# Altium PCB Copy of FPGA_Module.PcbDoc (part 3 of 3) (continued)
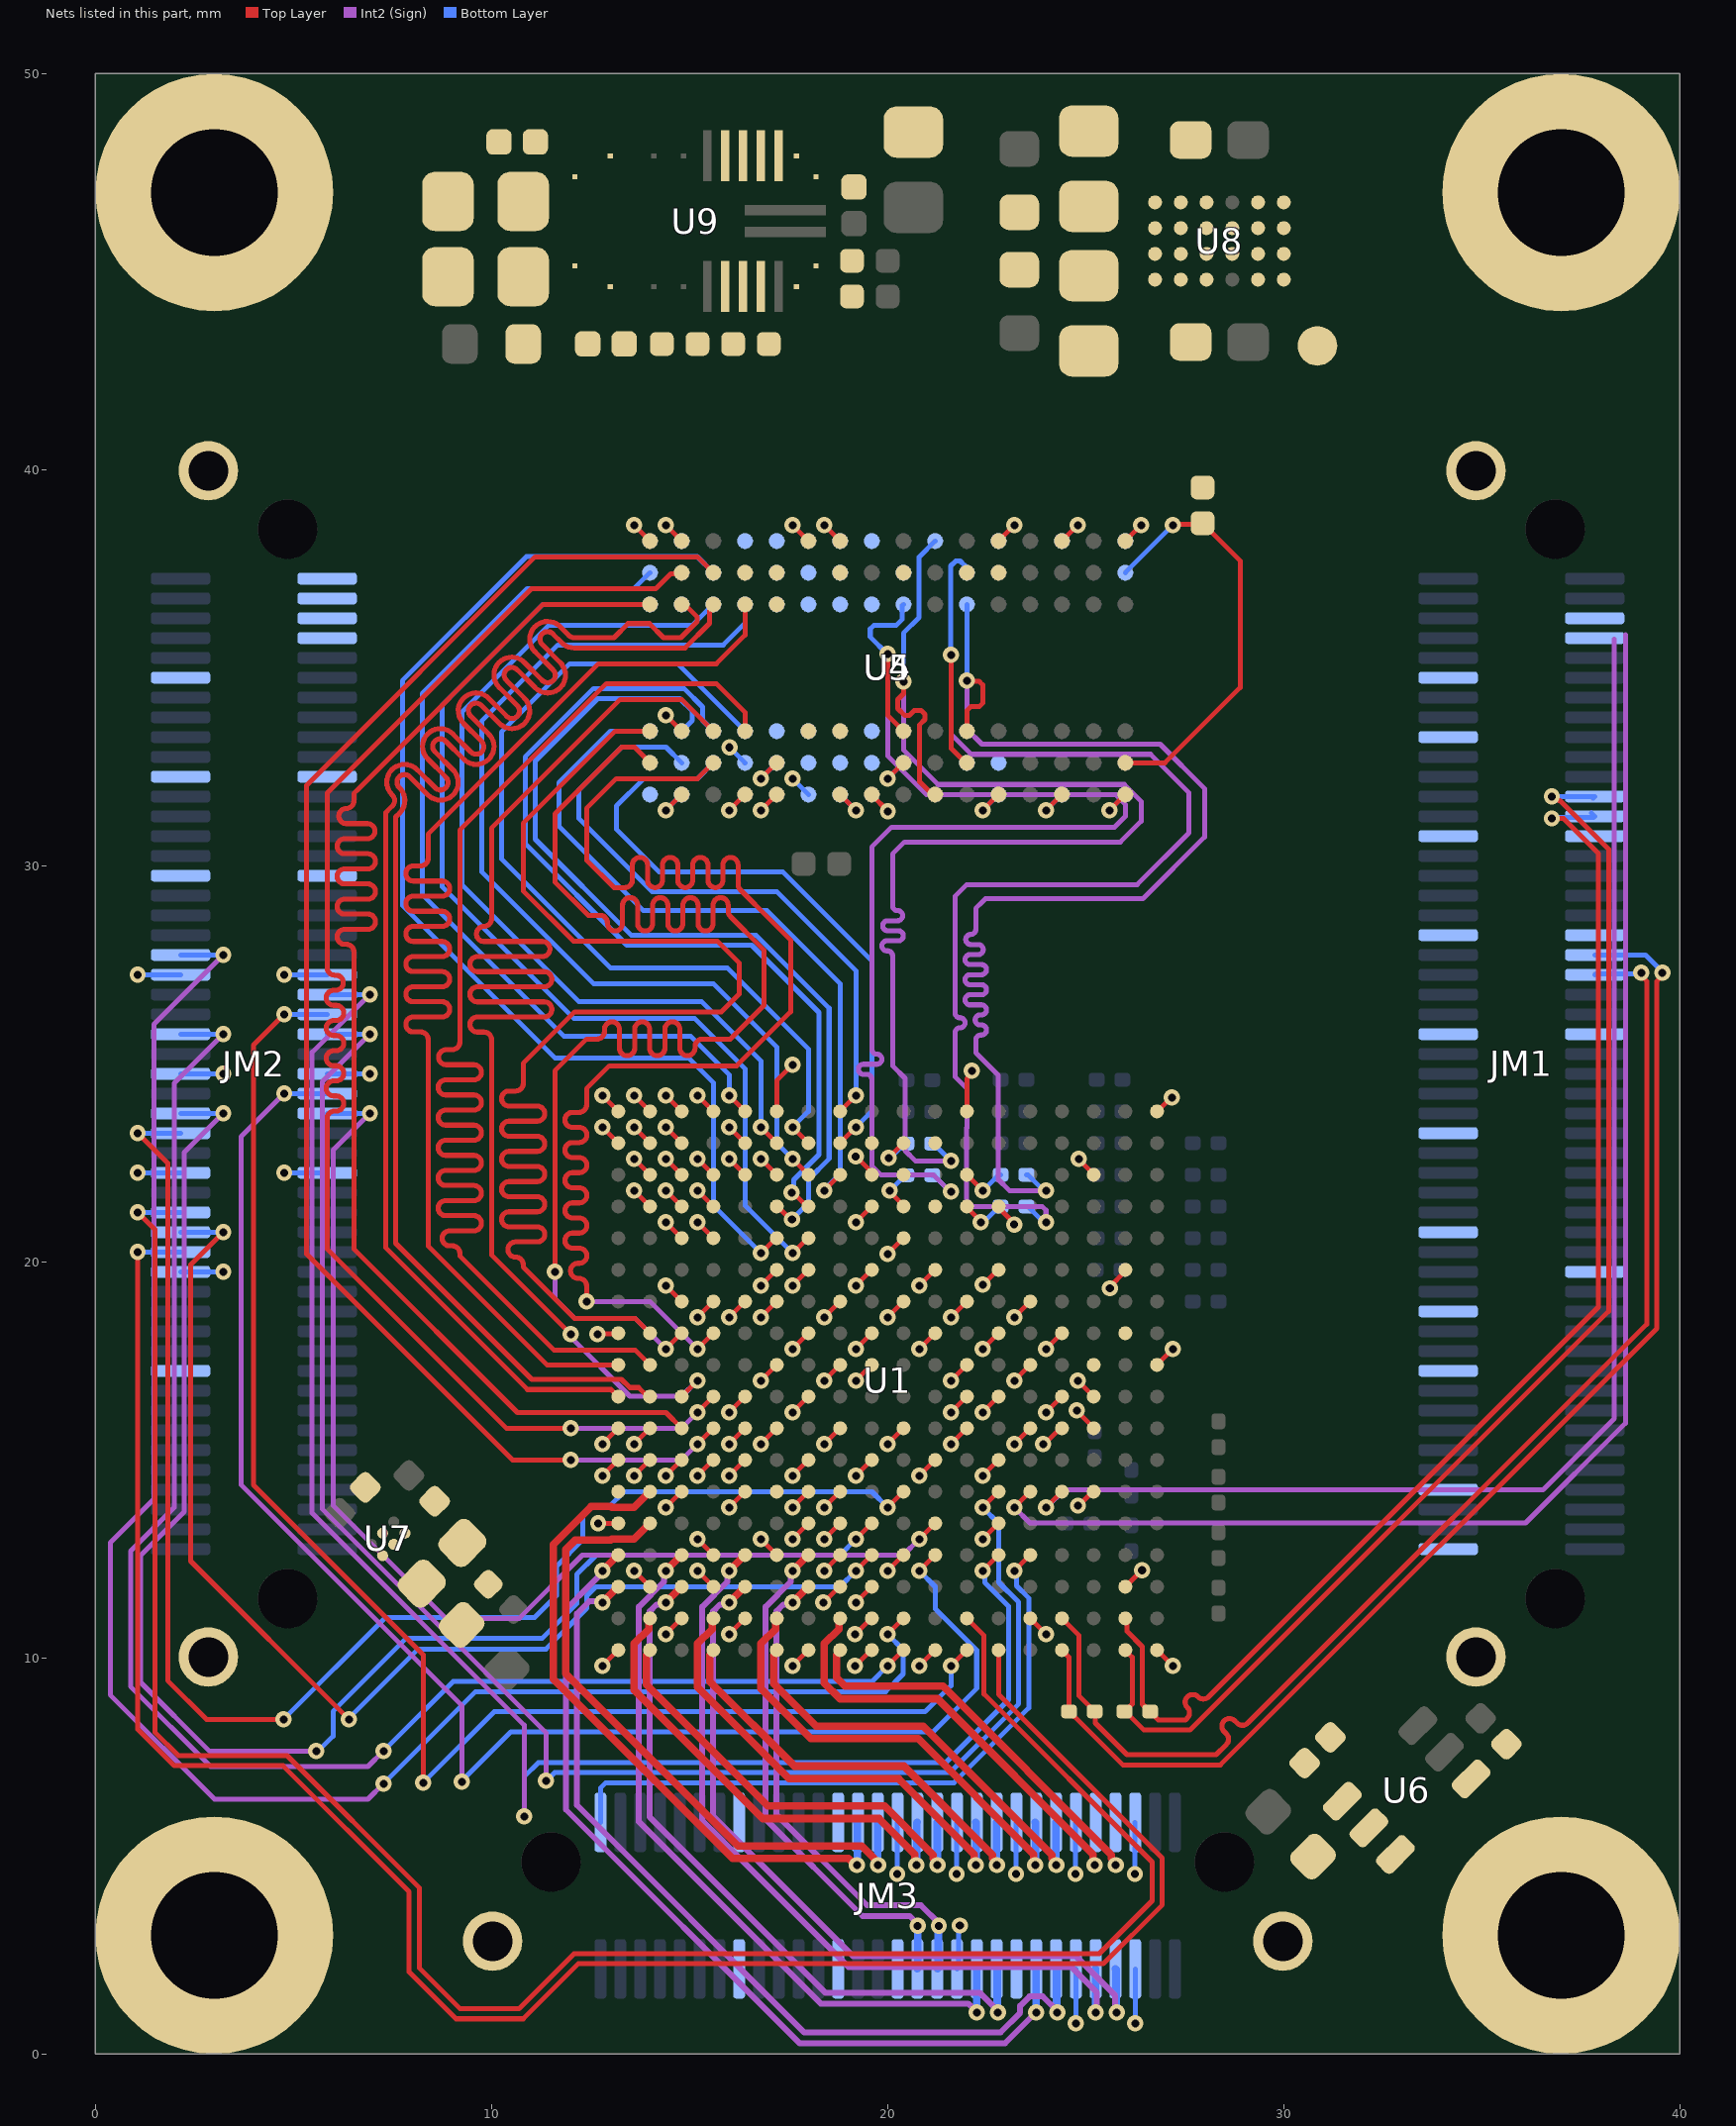
[diagram p6: the nets of this part, all layers, seen from the top]
## Nets (pads, with @x,y where several pads share a name; then routed paths per layer and width w, separated by ;. In a path a pad name is that pad's centre, name@x,y a point inside that pad or via, vN(x,y) a via of type N, cw(c..) or ccw(c..) an arc to the next point about the centre after c; other vN are vias at no path point) (continued)
DDR3_RESET: R16.1 U1.U11 U4.T2 U5.T2 | length 10.7
  Top Layer w0.127: U4.T2@26,32.6 27,32.6 28.9,34.5 28.9,37.7 R16.1@27.95,38.65 27.925,38.625 27.225,38.625 v1(27.2,38.6)
  Bottom Layer w0.127: U5.T2@26,37.4 v1(27.2,38.6)
DDR3_S0: R28.1 U1.M15 | length 1.2
  Top Layer w0.127: U1.M15@22,21.4 22,21.375 22.35,21.025 v1(22.35,21)
  Bottom Layer w0.127: v1(22.35,21) 22.425,21 22.801,21.376 R28.1@22.823,21.376
DDR3_S0_T: R28.2 U4.L2 U5.L2 | length 33.1
  Top Layer w0.127: v1@21.602,35.324 21.602,32.964 21.966,32.6 U4.L2@22,32.6
  Int2 (Sign) w0.127: v1(21.6,35.325) 21.6,33.325 22.11,32.815 26.635,32.815 27.609,31.841 27.609,30.834 26.3,29.525 21.998,29.525 21.7,29.227 21.7,26.66 21.7,26.291 ccw(c21.827,26.291) 21.827,26.164 cw(c21.827,26.037) 21.827,25.91 ccw(c21.827,25.783) 21.7,25.783 21.7,24.957 21.7,24.675 22,24.375 22,23.388 21.994,23.382 21.994,21.557 22.151,21.4 23.9,21.4 23.999,21.301 23.999,21.001 v1(24,21)
  Bottom Layer w0.127: v1@21.593,35.332 21.593,37.568 21.723,37.698 21.828,37.698 21.948,37.578 21.948,37.452 U5.L2@22,37.4 ; R28.2@23.538,21.4 v1@23.938,21
DDR3_WE: R26.1 U1.M16 | length 1.2
  Top Layer w0.127: U1.M16@22,22.2 v1(22.4,21.8)
  Bottom Layer w0.127: v1(22.4,21.8) 22.412,21.8 22.812,22.2 R26.1@22.85,22.2
DDR3_WE_T: R26.2 U4.L3 U5.L3 | length 32
  Top Layer w0.127: U4.L3@22,33.4 22,33.915 22.1,34.015 22.311,34.015 22.4,34.104 22.4,34.565 22.308,34.657 22.018,34.657 v1(22,34.675)
  Int2 (Sign) w0.127: v1(22,34.675) 22,33.45 22.381,33.069 26.881,33.069 28,31.95 28,30.725 26.442,29.167 22.467,29.167 22.39,29.09 22.225,28.925 22.225,28.393 cw(c22.098,28.393) 22.098,28.266 ccw(c22.098,28.139) 22.098,28.012 22.286,28.012 cw(c22.286,27.885) 22.286,27.758 22.081,27.758 ccw(c22.081,27.631) 22.081,27.504 22.369,27.504 cw(c22.369,27.377) 22.369,27.25 22.081,27.25 ccw(c22.081,27.123) 22.081,26.996 22.369,26.996 cw(c22.369,26.869) 22.369,26.742 22.081,26.742 ccw(c22.081,26.615) 22.081,26.488 22.369,26.488 cw(c22.369,26.361) 22.369,26.234 22.335,26.234 ccw(c22.335,26.107) 22.335,25.98 22.369,25.98 cw(c22.369,25.853) 22.369,25.726 22.352,25.726 ccw(c22.352,25.599) 22.225,25.599 22.225,25.282 22.794,24.713 22.794,22.081 23.075,21.8 v1(24,21.8)
  Bottom Layer w0.127: v1(22,34.675) U5.L3@22,36.6 ; R26.2@23.5,22.2 23.538,22.2 23.938,21.8 v1(24,21.8)
FCLK_N: JM1.77 R9.1 U1.U1 | length 33.3
  Top Layer w0.127: R9.1@25.975,8.65 R9.1@25.987,8.65 ; U1.U1@26,10.2 26,10.189 26.175,10.014 26.175,9.43 26.175,8.836 25.989,8.65 R9.1@25.987,8.65 ; v1@36.772,31.727 36.868,31.727 36.947,31.648 36.971,31.648 38.2,30.419 38.2,18.75 27.628,8.178 26.472,8.178 26,8.65 R9.1@25.987,8.65
  Bottom Layer w0.127: v1(36.77,31.75) JM1.77@37.85,31.75 JM1.77@37.811,31.711
FCLK_P: JM1.75 R9.2 U1.U2 | length 33
  Top Layer w0.127: U1.U2@26,11 26.043,10.957 26.043,10.674 26.432,10.285 26.432,9.323 26.432,8.831 R9.2@26.613,8.65 ; R9.2@26.625,8.65 26.637,8.65 26.761,8.526 26.761,8.51 26.836,8.435 27.521,8.435 27.566,8.48 ccw(c27.432,8.615) 27.566,8.749 cw(c27.701,8.884) 27.566,9.019 cw(c27.701,8.884) 27.836,9.019 ccw(c27.97,9.154) 28.105,9.019 28.431,9.344 37.943,18.857 37.943,30.312 37.061,31.194 v1(36.77,31.194)
  Bottom Layer w0.127: v1(36.77,31.194) 36.798,31.222 37.822,31.222 JM1.75@37.85,31.25 JM1.75@37.771,31.329
FE_EN: JM2.53 U1.N6 | length 41.4
  Top Layer w0.127: v1(22.4,13.8) U1.N6@22.762,14.162
  Int2 (Sign) w0.127: v1(6.93,25.75) 5.725,24.545 5.725,13.762 11.375,8.112 v1(11.375,6.9)
  Bottom Layer w0.127: JM2.53@5.85,25.75 v1(6.93,25.75) ; v1(11.375,6.9) 11.385,6.9 11.589,7.104 21.57,7.104 23.308,8.842 23.308,11.408 22.806,11.91 22.806,13.394 v1(22.4,13.8)
FE_PG: JM2.45 U1.L5 | length 28.7
  Top Layer w0.127: v1(20.8,13) U1.L5@21.162,13.362
  Int2 (Sign) w0.127: v1(6.93,23.75) 6,22.82 6,13.85 8.85,11 10.7,11 12.294,12.594 20.394,12.594 v1(20.8,13)
  Bottom Layer w0.127: JM2.45@5.85,23.75 v1(6.93,23.75)
GND: C1.2 C2.2 C3.2 C4.1 C6.1 C7.1 C8.1 C9.1 C10.1 C11.1 C12.1 C13.1 C14.1 C15.1 C16.1 C18.1 C19.1 C20.1 C21.1 C22.1 C23.1 C24.1 C25.1 C26.1 C27.1 C28.1 C29.1 C30.1 C31.1 C32.1 C33.1 C34.1 C35.1 C36.1 C37.1 C38.1 C39.1 C40.1 C41.1 C42.1 C43.1 C44.1 C45.1 C46.1 C47.1 C48.1 C49.1 C50.1 C51.1 C52.1 C53.1 C54.1 C55.1 C56.1 C57.1 C58.1 C59.1 C60.1 C61.1 C62.1 C63.1 C65.1 C66.1 C67.1 C68.1 C69.1 C70.1 C71.1 C72.1 C74.1 C75.1 C76.1 C77.1 C78.1 C79.1 C80.1 C82.1 C83.1 C84.1 C85.1 C87.1 FB2.2 JM1.2 JM1.8 JM1.20 JM1.26 JM1.29 JM1.34 JM1.44 JM1.53 JM1.54 JM1.63 JM1.64 JM1.73 JM1.74 JM1.84 JM1.90 JM1.101 JM1.102 JM2.20 JM2.30 JM2.39 JM2.40 JM2.49 JM2.50 JM2.59 JM2.60 JM2.69 JM2.70 JM2.79 JM2.80 JM2.90 JM2.101 JM2.102 JM3.5 JM3.6 JM3.11 JM3.12 JM3.17 JM3.18 JM3.23 JM3.24 JM3.29 JM3.30 JM3.35 JM3.36 JM3.45 JM3.46 JM3.61 JM3.62 MH1.1 MH2.1 MH3.1 MH4.1 R16.2 R17.2 R18.2 R35.1 R47.1 R50.1 R52.1 U1.A1 U1.A5 U1.A7 U1.A8 U1.A11 U1.A18 U1.B3 U1.B7 U1.B8 U1.B18 U1.C2 U1.C6 U1.C7 U1.C15 U1.D3 U1.D4 U1.D7 U1.D12 U1.E2 U1.E6 U1.E7 U1.E9 U1.E12 U1.F4 U1.F6 U1.F10 U1.F13 U1.F16 U1.G1 U1.G5 U1.G6 U1.G7 U1.G9 U1.G11 U1.G13 U1.H3 U1.H4 U1.H5 U1.H6 U1.H8 U1.H10 U1.H12 U1.J1 U1.J2 U1.J3 U1.J7 U1.J11 U1.J13 U1.J17 U1.K4 U1.K8 U1.K12 U1.K14 U1.L1 U1.L7 U1.L11 U1.L13 U1.M8 U1.M9 U1.M10 U1.M12 U1.M18 U1.N5 U1.N7 U1.N9 U1.N11 U1.N13 U1.N15 U1.P2 U1.P8 U1.P12 U1.R9 U1.R11 U1.T6 U1.T16 U1.U3 U1.U13 U1.V1 U1.V10 U1.V18 U2.4 U2.9 U3.6 U4.A9 U4.B1 U4.B3 U4.B9 U4.D1 U4.D8 U4.E1 U4.E2 U4.E8 U4.F9 U4.G1 U4.G8 U4.G9 U4.J2 U4.J8 U4.M1 U4.M9 U4.P1 U4.P9 U4.T1 U4.T9 U5.A9 U5.B1 U5.B3 U5.B9 U5.D1 U5.D8 U5.E1 U5.E2 U5.E8 U5.F9 U5.G1 U5.G8 U5.G9 U5.J2 U5.J8 U5.M1 U5.M9 U5.P1 U5.P9 U5.T1 U5.T9 U6.4 U7.C1 U8.A1 U8.A4 U8.C2 U8.C3 U8.D1 U8.D2 U8.D3 U8.D4 U8.E2 U8.E3 U9.1 U9.2 U9.3 U9.4 U9.5 U9.18 U9.24 | length 74.6
  Top Layer w0.127: v1@12.688,18.188 U1.A11@13.137,18.188 ; v1(12.695,13.4) U1.A5@13.2,13.4 ; v1(12.8,9.8) U1.A1@13.2,10.2 ; v1(12.8,14.6) U1.A7@13.162,14.962 ; v1(12.8,15.4) 13.162,15.762 U1.A8@13.162,15.75 ; v1(12.8,24.2) U1.A18@13.162,23.838 ; v1(13.6,12.2) U1.B3@14,11.8 ; v1(13.6,14.6) U1.B7@13.962,14.962 ; v1(13.6,15.4) U1.B8@13.962,15.762 ; v1(13.6,24.2) U1.B18@13.962,23.838 ; v1(13.6,38.6) U4.A9@14,38.2 ; v1(14.4,10.6) U1.C2@14.8,11 ; v1(14.4,13.8) U1.C6@14.8,14.2 ; v1(14.4,14.6) U1.C7@14.762,14.962 ; v1(14.4,21.8) U1.C15@14.762,21.438 ; v1(14.4,31.4) U4.B1@14.8,31.8 ; v1(14.4,33.8) U4.B3@14.8,33.4 ; v1(14.4,38.6) U4.B9@14.8,38.2 ; v1(15.2,12.2) U1.D3@15.6,11.8 ; v1(15.2,13) U1.D4@15.6,12.6 ; v1(15.2,14.6) U1.D7@15.562,14.962 ; v1(15.2,18.6) U1.D12@15.562,18.962 ; v1(16,10.6) U1.E2@16.4,11 ; v1(16,13.8) U1.E6@16.4,14.2 ; v1(16,14.6) U1.E7@16.362,14.962 ; v1(16,16.2) U1.E9@16.362,16.562 ; v1(16,18.6) U1.E12@16.362,18.962 ; v1(16,31.4) U4.D1@16.4,31.8 ; v1(16.8,13) U1.F4@17.2,12.6 ; v1(16.8,17) U1.F10@17.162,17.362 ; v1(16.8,19.4) U1.F13@17.162,19.762 ; v1(16.8,22.6) U1.F16@17.162,22.238 ; v1(16.8,31.4) U4.E1@17.2,31.8 ; v1(16.8,32.2) U4.E2@17.2,32.6 ; v1(17.6,9.8) U1.G1@18,10.2 ; v1(17.6,13) U1.G5@18,13.4 ; v1(17.6,13.8) U1.G6@17.962,14.162 ; v1(17.6,14.6) U1.G7@17.962,14.962 ; v1(17.6,16.2) U1.G9@17.962,16.562 ; v1(17.6,17.8) U1.G11@17.962,18.162 ; v1(17.6,19.4) U1.G13@17.962,19.762 ; v1(17.6,38.6) U4.F9@18,38.2 ; v1(18.375,11.4) 18.388,11.4 18.787,11.8 U1.H3@18.8,11.8 ; v1(18.4,12.2) U1.H4@18.8,12.6 ; v1(18.4,13) U1.H5@18.8,13.4 ; v1(18.4,13.8) U1.H6@18.762,14.162 ; v1(18.4,15.4) U1.H8@18.762,15.762 ; v1(18.4,17) U1.H10@18.762,17.362 ; v1(18.4,18.6) U1.H12@18.762,18.962 ; v1(18.4,38.6) U4.G9@18.8,38.2 ; U4.G1@18.8,31.8 v1(19.2,31.4) ; v1(19.175,9.8) 19.188,9.8 19.587,10.2 U1.J1@19.6,10.2 ; v1(19.175,10.6) 19.188,10.6 19.587,11 U1.J2@19.6,11 ; v1(19.2,11.4) U1.J3@19.6,11.8 ; v1(19.2,14.6) U1.J7@19.562,14.962 ; v1(19.2,17.8) U1.J11@19.562,18.162 ; v1(19.2,19.4) U1.J13@19.562,19.762 ; v1(20,12.2) U1.K4@20.362,12.562 ; v1(20,15.4) U1.K8@20.362,15.762 ; v1(20,18.6) U1.K12@20.362,18.962 ; v1(20,20.2) U1.K14@20.362,20.562 ; v1(20,32.2) U4.J2@20.4,32.6 ; v1(20.8,9.8) U1.L1@21.162,10.162 ; v1(20.8,14.6) U1.L7@21.162,14.962 ; v1(20.8,17.8) U1.L11@21.162,18.162 ; v1(20.8,19.4) U1.L13@21.162,19.762 ; v1(21.6,15.4) U1.M8@21.962,15.762 ; v1(21.6,16.2) U1.M9@21.962,16.562 ; v1(21.6,17) U1.M10@21.962,17.362 ; v1(21.6,18.6) U1.M12@21.962,18.962 ; U1.M18@22,23.8 22,24.624 22.125,24.749 v1(22.125,24.825) ; v1(22.4,13) U1.N5@22.762,13.362 ; v1(22.4,14.6) U1.N7@22.762,14.962 ; v1(22.4,16.2) U1.N9@22.762,16.562 ; v1(22.4,17.8) U1.N11@22.762,18.162 ; v1(22.4,19.425) 22.413,19.425 22.825,19.838 U1.N13@22.838,19.838 ; v1(22.4,31.4) U4.M1@22.8,31.8 ; U1.N15@22.8,21.4 22.8,21.369 23.196,20.973 v1(23.196,20.941) ; U4.M9@22.8,38.2 v1(23.2,38.6) ; v1(23.2,15.4) U1.P8@23.562,15.762 ; v1(23.2,18.6) U1.P12@23.562,18.962 ; U1.P2@23.638,10.962 v1(24,10.6) ; v1(24,16.2) U1.R9@24.362,16.562 ; v1(24,17.8) U1.R11@24.362,18.162 ; v1(24,31.4) U4.P1@24.4,31.8 ; U4.P9@24.4,38.2 v1(24.8,38.6) ; v1(24.806,13.845) 24.826,13.845 25.181,14.2 U1.T6@25.2,14.2 ; v1(24.825,22.6) 24.825,22.588 25.187,22.225 U1.T16@25.187,22.2 ; v1(25.6,31.4) U4.T1@26,31.8 ; v1(25.61,19.334) 25.61,19.372 26,19.762 U1.U13@26,19.8 ; U1.U3@26,11.8 26.005,11.8 26.419,12.214 v1(26.424,12.214) ; U4.T9@26,38.2 v1(26.4,38.6) ; U1.V18@26.8,23.8 26.813,23.8 27.162,24.15 v1(27.175,24.15) ; U1.V1@26.838,10.162 v1(27.2,9.8) ; U1.V10@26.838,17.438 v1(27.2,17.8)
  Bottom Layer w0.127: v1(1.07,22.25) JM2.40@2.15,22.25 ; v1(1.07,27.25) JM2.60@2.15,27.25 ; JM2.30@2.15,19.75 v1(3.23,19.75) ; JM2.50@2.15,24.75 v1(3.23,24.75) ; v1(4.77,22.25) JM2.39@5.85,22.25 ; v1(4.77,27.25) JM2.59@5.85,27.25 ; JM2.49@5.85,24.75 v1(6.93,24.75) ; v1(14.4,31.4) U5.B9@14.8,31.8 ; v1(16.008,32.99) U5.D8@16.4,32.6 ; v1(16.8,32.2) U5.E8@17.2,32.6 ; v1(17.6,32.2) U5.F9@18,31.8 ; U5.G9@18.8,31.8 v1(19.2,31.4) ; v1(20,32.2) U5.J8@20.4,32.6 ; v1(20.241,4.542) 20.245,4.547 20.245,5.845 JM3.29@20.25,5.85 ; v1@21.745,4.547 JM3.23@21.745,5.845 ; JM3.24@21.75,2.15 21.787,2.187 21.787,3.21 v1(21.825,3.247) ; v1(22.4,31.4) U5.M9@22.8,31.8 ; v1@23.245,4.547 JM3.17@23.245,5.845 ; v1(24,31.4) U5.P9@24.4,31.8 ; v1@24.745,4.547 JM3.11@24.745,5.845 ; v1(24.75,0.775) JM3.12@24.75,2.141 ; v1(25.6,31.4) U5.T9@26,31.8 ; v1@26.245,4.547 JM3.5@26.245,5.845 ; v1(26.25,0.775) JM3.6@26.25,2.141
  other v1: 21.741,4.542 23.241,4.542 24.741,4.542 26.241,4.542 12.675,18.175
LCLK_N: JM1.61 R10.1 U1.R1 | length 32.5
  Top Layer w0.127: U1.R1@24.4,10.2 24.4,10.191 24.577,10.014 24.577,9.124 24.577,8.652 R10.1@24.575,8.65 24.587,8.65 24.712,8.526 25.937,7.3 28.4,7.3 39.42,18.32 39.42,27.086 39.558,27.224 v1(39.558,27.3)
  Bottom Layer w0.127: JM1.61@37.85,27.75 39.132,27.75 39.558,27.323 v1(39.558,27.3)
LCLK_P: JM1.59 R10.2 U1.R2 | length 32.5
  Top Layer w0.127: U1.R2@24.4,11 24.834,10.565 24.834,9.041 R10.2@25.225,8.65 ; R10.2@25.213,8.65 25.242,8.621 25.242,8.359 26.044,7.557 28.293,7.557 28.552,7.816 ccw(c28.418,7.951) 28.552,8.086 28.494,8.144 cw(c28.629,8.279) 28.494,8.413 cw(c28.629,8.279) 28.764,8.413 28.822,8.355 ccw(c28.957,8.49) 29.091,8.355 29.406,8.669 39.163,18.427 39.163,27.086 39.025,27.224 v1(39.025,27.3)
  Bottom Layer w0.127: JM1.59@37.85,27.25 37.875,27.275 39,27.275 v1(39.025,27.3)
LEDs_1: JM1.93 U1.P6 | length 37.1
  Top Layer w0.127: v1(23.2,13.8) U1.P6@23.562,14.162
  Int2 (Sign) w0.127: v1(23.2,13.8) 23.594,13.406 36.106,13.406 38.625,15.925 38.625,35.837
LEDs_2: JM1.95 U1.R6 | length 35.4
  Top Layer w0.127: v1(24,13.8) U1.R6@24.362,14.162
  Int2 (Sign) w0.127: v1@24.011,13.8 24.452,14.241 36.541,14.241 38.342,16.042 38.342,35.72
MGT_CLK1_N: JM3.31 U1.B5 | length 16.5
  Top Layer w0.191: U1.B5@14,13.4 13.603,13.003 13.041,13.003 13.012,12.974 12.117,12.974 11.875,12.733 11.875,9.6 16.221,5.254 19.343,5.254 19.651,4.946 19.651,4.936 19.758,4.828 v1(19.758,4.77)
  Bottom Layer w0.191: v1@19.75,4.778 JM3.31@19.75,5.85
MGT_CLK1_P: JM3.33 U1.B6 | length 17.1
  Top Layer w0.191: U1.B6@14,14.2 13.6,13.8 13.038,13.8 13.012,13.826 12.519,13.826 12.269,13.576 11.557,12.864 11.557,9.468 16.09,4.936 19.005,4.936 19.172,4.77 v1(19.225,4.77)
  Bottom Layer w0.191: v1(19.225,4.77) 19.238,4.782 19.238,5.837 JM3.33@19.225,5.85
MGT_RX0_N: JM3.8 U1.E3 | length 19.8
  Top Layer w0.191: v1(16,11.4) U1.E3@16.4,11.8
  Int2 (Sign) w0.148: v1(16,11.4) 15.951,11.351 15.768,11.351 15.596,11.179 15.596,6.004 19.125,2.475 24.747,2.475 25.747,1.475 25.747,1.086 v1(25.783,1.05)
  Bottom Layer w0.191: JM3.8@25.75,2.15 25.767,2.133 25.767,1.067 v1(25.783,1.05)
MGT_RX0_P: JM3.10 U1.E4 | length 20.5
  Top Layer w0.191: v1(16,12.2) U1.E4@16.4,12.6
  Int2 (Sign) w0.148: v1(16,12.2) 15.951,12.151 15.951,11.922 15.321,11.292 15.321,5.89 19.011,2.2 24.633,2.2 25.284,1.549 25.284,1.084 v1(25.25,1.05)
  Bottom Layer w0.191: v1(25.25,1.05) JM3.10@25.25,2.15
MGT_RX1_N: JM3.14 U1.A3 | length 22.5
  Top Layer w0.191: v1(12.8,11.4) U1.A3@13.2,11.8
  Int2 (Sign) w0.148: v1(12.8,11.4) 12.77,11.43 12.465,11.43 12.153,11.118 12.153,6.285 17.889,0.55 22.855,0.55 23.346,1.041 23.346,1.217 23.583,1.454 23.917,1.454 24.283,1.088 v1(24.283,1.05)
  Bottom Layer w0.191: JM3.14@24.258,2.158 24.267,2.15 24.267,1.067 v1(24.283,1.05)
MGT_RX1_P: JM3.16 U1.A4 | length 22.7
  Top Layer w0.191: v1(12.8,12.2) U1.A4@13.2,12.6
  Int2 (Sign) w0.148: v1(12.8,12.2) 12.8,12.153 12.508,11.861 11.879,11.232 11.879,6.171 17.775,0.275 22.969,0.275 23.744,1.05 v1(23.75,1.05)
  Bottom Layer w0.191: v1(23.75,1.05) JM3.16@23.75,2.15
MGT_RX2_N: JM3.20 U1.C3 | length 18.2
  Top Layer w0.191: v1(14.4,11.4) U1.C3@14.8,11.8
  Int2 (Sign) w0.148: v1(14.4,11.4) 14.351,11.351 14.168,11.351 13.996,11.179 13.996,5.979 18.425,1.55 22.322,1.55 22.783,1.088 v1(22.783,1.05)
  Bottom Layer w0.191: JM3.20@22.758,2.158 22.767,2.15 22.767,1.067 v1(22.783,1.05)
MGT_RX2_P: JM3.22 U1.C4 | length 18.8
  Top Layer w0.191: v1(14.4,12.2) U1.C4@14.8,12.6
  Int2 (Sign) w0.148: v1(14.4,12.2) 14.351,12.151 14.351,11.922 13.721,11.292 13.721,5.865 18.311,1.275 22.034,1.275 22.25,1.059 v1(22.25,1.05)
  Bottom Layer w0.191: v1(22.25,1.05) JM3.22@22.25,2.15
MGT_RX3_N: JM3.26 U1.G3 | length 12.6
  Top Layer w0.191: v1(17.6,11.4) U1.G3@18,11.8
  Int2 (Sign) w0.148: v1(17.6,11.4) 17.551,11.351 17.368,11.351 17.196,11.179 17.196,6.043 19.482,3.757 20.07,3.757 20.839,3.757 21.308,3.288 v1@21.308,3.25
  Bottom Layer w0.191: JM3.26@21.258,2.158 21.279,2.179 21.279,3.221 v1@21.308,3.25
  other v1: 21.291,3.237
MGT_RX3_P: JM3.28 U1.G4 | length 13.2
  Top Layer w0.191: v1(17.6,12.2) U1.G4@18,12.6
  Int2 (Sign) w0.148: v1(17.6,12.2) 17.551,12.151 17.551,11.922 16.921,11.292 16.921,5.929 19.368,3.482 20.184,3.482 20.559,3.482 20.775,3.266 v1@20.775,3.25
  Bottom Layer w0.191: JM3.28@20.75,2.15 20.763,2.162 20.763,3.238 v1@20.775,3.25
  other v1: 20.758,3.237
MGT_TX0_N: JM3.7 U1.H1 | length 9.8
  Top Layer w0.191: U1.H1@18.8,10.2 18.8,10.157 18.715,10.072 18.715,9.5 18.927,9.288 21.393,9.288 25.651,5.03 25.651,4.936 25.758,4.828 v1(25.758,4.77)
MGT_TX0_P: JM3.9 U1.H2 | length 10.7
  Top Layer w0.191: U1.H2@18.8,11 18.77,10.97 18.77,10.732 18.397,10.359 18.397,9.368 18.795,8.97 21.261,8.97 25.188,5.043 25.188,4.807 v1(25.225,4.77)
MGT_TX1_N: JM3.13 U1.F1 | length 11.1
  Top Layer w0.191: U1.F1@17.2,10.2 17.2,10.157 17.12,10.077 17.12,9.354 18.195,8.279 20.901,8.279 24.151,5.03 24.151,4.936 24.258,4.828 v1(24.258,4.77)
  Bottom Layer w0.191: v1@24.25,4.778 JM3.13@24.25,5.85
MGT_TX1_P: JM3.15 U1.F2 | length 11.9
  Top Layer w0.191: U1.F2@17.2,11 17.17,10.97 17.17,10.732 16.803,10.365 16.803,9.222 18.063,7.962 18.195,7.962 20.77,7.962 23.688,5.043 23.688,4.807 v1(23.725,4.77)
  Bottom Layer w0.191: v1(23.725,4.77) 23.738,4.782 23.738,5.838 JM3.15@23.725,5.85
MGT_TX2_N: JM3.19 U1.D1 | length 11.2
  Top Layer w0.191: U1.D1@15.6,10.2 15.6,10.157 15.515,10.072 15.515,9.4 17.644,7.271 20.41,7.271 22.651,5.03 22.651,4.936 22.758,4.828 v1(22.758,4.77)
  Bottom Layer w0.191: v1@22.75,4.778 JM3.19@22.75,5.85
MGT_TX2_P: JM3.21 U1.D2 | length 12
  Top Layer w0.191: U1.D2@15.6,11 15.57,10.97 15.57,10.732 15.197,10.359 15.197,9.268 17.513,6.953 19.35,6.953 20.278,6.953 22.188,5.043 22.188,4.807 v1(22.225,4.77)
  Bottom Layer w0.191: v1(22.225,4.77) 22.237,4.782 22.237,5.837 JM3.21@22.225,5.85
MGT_TX3_N: JM3.25 U1.B1 | length 11.3
  Top Layer w0.191: U1.B1@14,10.2 14,10.157 13.915,10.072 13.915,9.325 16.978,6.262 19.918,6.262 21.151,5.03 21.151,4.936 21.258,4.828 v1(21.258,4.77)
  Bottom Layer w0.191: v1@21.25,4.778 21.254,4.782 21.254,5.846 JM3.25@21.25,5.85
MGT_TX3_P: JM3.27 U1.B2 | length 12.2
  Top Layer w0.191: U1.B2@14,11 13.97,10.97 13.97,10.732 13.597,10.359 13.597,9.193 16.846,5.945 18.275,5.945 19.787,5.945 20.688,5.043 20.688,4.807 v1(20.725,4.77)
  Bottom Layer w0.191: v1(20.725,4.77) 20.738,4.782 20.738,5.837 JM3.27@20.75,5.85
NetC64_2: C64.2 FB1.1 U1.J10 | length 0.5
  Top Layer w0.127: v1(19.2,17) U1.J10@19.562,17.362
NetC73_1: C73.1 R46.1 R47.2 U9.17
NetC73_2: C73.2 C74.2 C75.2 C76.2 R46.2 R53.1 U9.9 U9.10 U9.11 U9.12
NetC78_2: C78.2 R54.1 U6.1 U6.2
NetC81_1: C81.1 R49.1 R50.2 U8.A3
NetC81_2: C81.2 C82.2 R49.2 R55.1 U8.E4 U8.F3 U8.F4
NetC83_2: C83.2 R56.1 U7.A1 U7.B1
NetC86_1: C86.1 R51.1 R52.2 U8.A2
NetC86_2: C86.2 C87.2 R51.2 R57.1 U8.E1 U8.F1 U8.F2
NetR11_2: R11.2 U1.A6 | length 0
  Top Layer w0.127: U1.A6@13.188,14.188 U1.A6@13.2,14.2
NetR14_1: R14.1 U1.T10
NetR15_1: R15.1 U1.P10 | length 0.5
  Top Layer w0.127: v1(23.2,17) U1.P10@23.562,17.362
NetR17_1: R17.1 U4.L8
NetR18_1: R18.1 U5.L8
NetR44_2: R44.2 U9.16
NetTP1_1: TP1.1 U1.F12 | length 0.5
  Top Layer w0.127: v1(16.8,18.6) U1.F12@17.162,18.962
NetTP2_1: TP2.1 U8.B4
OSC_OE: JM2.47 U1.L4 | length 39.3
  Top Layer w0.127: v1(20.8,12.2) U1.L4@21.162,12.562
  Int2 (Sign) w0.127: v1(4.77,24.25) 3.675,23.155 3.675,14.375 9.25,8.8 v1(9.25,6.875)
  Bottom Layer w0.127: v1(4.77,24.25) JM2.47@5.85,24.25 ; v1(9.25,6.875) 9.25,6.894 10.489,8.133 21.151,8.133 22.248,9.229 22.248,10.196 21.206,11.237 21.206,11.794 v1(20.8,12.2)
PERST#: JM3.59 U1.P4 | length 16.6
  Top Layer w0.127: v1(23.2,12.2) U1.P4@23.562,12.562
  Bottom Layer w0.127: JM3.59@12.75,5.85 12.75,6.716 12.884,6.85 21.675,6.85 23.562,8.737 23.562,11.513 23.253,11.822 23.253,12.147 v1(23.2,12.2)
PG_1V0: R45.1 U7.B2 U8.B2 U8.B3 U9.20 U9.21
PG_1V8_1V35: R48.1 U6.3 U8.B1
PGA_CSn_1: JM2.36 U1.M2 | length 53.8
  Top Layer w0.127: v1(1.07,21.25) 1.5,20.82 1.5,8.128 2.096,7.532 4.843,7.532 8.175,4.2 8.175,2.178 9.21,1.142 10.692,1.142 12.083,2.533 25.34,2.533 26.679,3.873 26.679,4.843 22.435,9.088 22.435,10.565 U1.M2@22,11
  Bottom Layer w0.127: v1(1.07,21.25) JM2.36@2.15,21.25
PGA_CSn_2: JM2.46 U1.J5 | length 38.6
  Top Layer w0.127: v1(19.2,13) U1.J5@19.562,13.362
  Int2 (Sign) w0.127: v1(3.23,23.75) 2.241,22.761 2.241,13.691 1.142,12.592 1.142,9.383 2.875,7.65 v1(5.575,7.65)
  Bottom Layer w0.127: JM2.46@2.15,23.75 v1(3.23,23.75) ; v1(5.575,7.65) 5.625,7.65 6,8.025 6,8.65 7.85,10.5 11.284,10.5 12.15,11.366 12.15,12.107 12.639,12.596 18.796,12.596 v1(19.2,13)
PGA_CSn_3: JM2.54 U1.K1 | length 40
  Top Layer w0.127: v1(20,9.8) U1.K1@20.362,10.162
  Int2 (Sign) w0.127: v1(3.23,25.75) 1.987,24.507 1.987,13.797 0.888,12.697 0.888,9.278 2.909,7.256 6.881,7.256 v1(7.275,7.65)
  Bottom Layer w0.127: JM2.54@2.15,25.75 v1(3.23,25.75) ; v1(7.275,7.65) 9.028,9.403 19.603,9.403 v1(20,9.8)
PGA_CSn_4: JM2.62 U1.K2 | length 45
  Top Layer w0.127: v1(20,10.6) U1.K2@20.362,10.962
  Int2 (Sign) w0.127: v1(3.23,27.75) 1.475,25.995 1.475,14.009 0.375,12.909 0.375,9.066 3.009,6.431 6.881,6.431 v1(7.275,6.825)
  Bottom Layer w0.127: JM2.62@2.15,27.75 v1(3.23,27.75) ; v1(7.275,6.825) 9.599,9.149 19.95,9.149 20.394,9.593 20.394,10.206 v1(20,10.6)
PGA_SCLK: JM2.34 U1.J4 | length 30.4
  Top Layer w0.127: v1@3.228,20.753 2.404,19.929 2.404,12.446 v1(6.4,8.45) ; v1(19.2,12.2) U1.J4@19.562,12.562
  Bottom Layer w0.127: JM2.34@2.15,20.75 v1(3.23,20.75) ; v1(6.4,8.45) 6.4,8.475 8.15,10.225 11.375,10.225 12.406,11.256 12.406,11.563 12.637,11.794 18.212,11.794 18.538,11.794 18.794,11.794 v1(19.2,12.2)
PGA_SDIO: JM2.32 U1.N1 | length 52.5
  Top Layer w0.127: v1(1.07,20.25) 1.07,8.199 1.99,7.278 4.738,7.278 7.921,4.095 7.921,2.072 9.105,0.888 10.798,0.888 12.188,2.279 25.445,2.279 26.933,3.768 26.933,4.948 22.8,9.082 U1.N1@22.8,10.2
  Bottom Layer w0.127: v1(1.07,20.25) JM2.32@2.15,20.25
PROBE_COMP: JM2.44 U1.K6 | length 37.6
  Top Layer w0.127: v1(1.07,23.25) 1.825,22.495 1.825,9.429 2.804,8.45 v1(4.75,8.45) ; v1(20,13.8) U1.K6@20.362,14.162
  Bottom Layer w0.127: v1(1.07,23.25) JM2.44@2.15,23.25 ; v1(4.75,8.45) 7.321,11.021 11.087,11.021 11.642,11.576 11.642,12.317 12.301,12.976 12.301,13.563 12.563,13.825 12.975,13.825 13.344,14.194 19.606,14.194 v1(20,13.8)
SCL: JM2.57 U1.N4 | length 42.7
  Top Layer w0.127: v1(22.4,12.2) U1.N4@22.762,12.562
  Int2 (Sign) w0.127: v1(6.93,26.75) 5.471,25.291 5.471,13.657 10.825,8.303 v1(10.825,6)
  Bottom Layer w0.127: JM2.57@5.85,26.75 v1(6.93,26.75) ; v1(10.825,6) 10.825,7 11.183,7.358 21.465,7.358 23.054,8.947 23.054,11.303 22.453,11.903 22.453,12.147 v1(22.4,12.2)
SDA: JM2.55 U1.M1 | length 37.9
  Top Layer w0.127: v1(4.77,26.25) 3.988,25.468 3.988,14.371 8.275,10.084 v1(8.275,6.85) ; v1(21.6,9.8) U1.M1@21.962,10.162
  Bottom Layer w0.127: v1(4.77,26.25) JM2.55@5.85,26.25 ; v1(8.275,6.85) 10.066,8.641 20.941,8.641 21.6,9.3 v1(21.6,9.8)
SPI_CLK: U1.E8 U2.6 | length 0.5
  Top Layer w0.127: v1(16,15.4) U1.E8@16.362,15.762
SPI_CS: Q1.1 R13.1 U2.1
SPI_CS_1V35: Q1.3 R12.1 U1.L15
SPI_DQ0: U2.5 U3.10
SPI_DQ0_1V35: U1.K16 U3.2
SPI_DQ1: U2.2 U3.9
SPI_DQ1_1V35: U1.L17 U3.3
SPI_DQ2: U2.3 U3.8
SPI_DQ2_1V35: U1.J15 U3.4 | length 0.5
  Top Layer w0.127: v1(19.2,21) U1.J15@19.562,21.362
SPI_DQ3: U2.7 U3.7
SPI_DQ3_1V35: U1.J16 U3.5 | length 0.5
  Top Layer w0.127: v1(19.196,22.662) U1.J16@19.558,22.3
TCK: JM2.99 U1.F8 | length 0.5
  Top Layer w0.127: v1(16.8,15.4) U1.F8@17.162,15.762
TDI: JM2.95 U1.T9 | length 0.6
  Top Layer w0.127: v1(24.8,17) U1.T9@25.2,16.6
TDO: JM2.97 U1.T8 | length 0.6
  Top Layer w0.127: v1(24.775,16.25) 24.775,16.238 25.2,15.813 U1.T8@25.2,15.8
TMS: JM2.93 U1.R8 | length 0.6
  Top Layer w0.127: v1(23.925,15.4) 23.962,15.4 24.325,15.762 U1.R8@24.362,15.762
VTTREF: C4.2 C5.1 C16.2 C17.1 C28.2 R27.1 R35.2 U1.C12 U1.F18 U4.H1 U4.M8 U5.H1 U5.M8 | length 2.5
  Top Layer w0.127: v1(14.4,19.4) U1.C12@14.762,19.038 ; U1.F18@17.162,23.838 U1.F18@17.162,23.85 ; U1.F18@17.2,23.8 17.2,24.575 v1(17.6,24.975) ; U4.H1@19.6,31.8 19.6,31.791 20.006,31.384 v1(20.006,31.375)
pads on no net: JM1. JM1.4 JM1.6 JM1.7 JM1.9 JM1.10 JM1.11 JM1.12 JM1.14 JM1.16 JM1.17 JM1.18 JM1.19 JM1.21 JM1.22 JM1.23 JM1.24 JM1.25 JM1.27 JM1.28 JM1.30 JM1.31 JM1.32 JM1.33 JM1.35 JM1.36 JM1.37 JM1.38 JM1.39 JM1.40 JM1.41 JM1.42 JM1.43 JM1.45 JM1.46 JM1.47 JM1.48 JM1.49 JM1.50 JM1.51 JM1.52 JM1.55 JM1.57 JM1.65 JM1.67 JM1.69 JM1.71 JM1.76 JM1.78 JM1.79 JM1.81 JM1.83 JM1.85 JM1.87 JM1.89 JM1.91 JM1.92 JM1.97 JM1.99 JM2. JM2.5 JM2.10 JM2.11 JM2.12 JM2.13 JM2.14 JM2.15 JM2.16 JM2.17 JM2.18 JM2.19 JM2.21 JM2.22 JM2.23 JM2.24 JM2.25 JM2.26 JM2.27 JM2.28 JM2.29 JM2.31 JM2.33 JM2.35 JM2.37 JM2.68 JM2.71 JM2.72 JM2.73 JM2.74 JM2.75 JM2.76 JM2.77 JM2.78 JM2.81 JM2.82 JM2.83 JM2.84 JM2.85 JM2.86 JM2.87 JM2.88 JM2.89 JM2.92 JM2.94 JM2.96 JM2.98 JM2.100 JM3. JM3.1 JM3.2 JM3.3 JM3.4 JM3.32 JM3.34 JM3.37 JM3.38 JM3.39 JM3.40 JM3.41 JM3.42 JM3.43 JM3.44 JM3.47 JM3.48 JM3.49 JM3.50 JM3.51 JM3.52 JM3.53 JM3.54 JM3.55 JM3.56 JM3.57 JM3.58 JM3.60 U1.D5 U1.D6 U1.D10 U1.E13 U1.E15 U1.H14 U1.J14 U1.L14 U1.L18 U1.M14 U1.N14 U1.N16 U1.P14 U1.P15 U1.P16 U1.P18 U1.R13 U1.R15 U1.R16 U1.R17 U1.U10 U1.U12 U1.U14 U1.U15 U1.U16 U1.U17 U4.J1 U4.J9 U4.L1 U4.L9 U4.M7 U4.T3 U4.T7 U5.J1 U5.J9 U5.L1 U5.L9 U5.M7 U5.T3 U5.T7 U9.6 U9.7 U9.8 U9.13 U9.14 U9.15 U9.19 U9.23
copper on no net: | length 0

## Polygon pours and split planes (outlines as drawn)
GND on Int1 (GND) (split plane): 39.49,0.51 0.51,0.51 0.51,49.49 39.49,49.49
GND on Int4 (GND) (split plane): 39.49,0.51 0.51,0.51 0.51,49.49 39.49,49.49

## Silkscreen, mask and mechanical layers (free items; w line width, h text height)
Mechanical 1:
  the board outline again, w0.1

## Text inside footprints (layer, text, board x,y; h text height)
JM1: Bottom Overlay "2" at 32.8,13.03 h1.5 r90; Bottom Overlay "1" at 40.025,13.033 h1.5 r90
JM2: Bottom Overlay "1" at 8.025,13.033 h1.5 r90; Bottom Overlay "2" at 0.8,13.03 h1.5 r90
JM3: Bottom Overlay "1" at 26.967,8.025 h1.5 r180; Bottom Overlay "2" at 26.97,0.8 h1.5 r180